# Altium PCB Main_PCB.PcbDoc (part 8 of 13)
Units mil, origin at the board's own origin, x right, y up, seen from the top; angles counter-clockwise.
Board outline 5200 x 6000 mil, 12 copper layers (Top (L1), Int1 (l2), Int2 (L3), Int3 (L4), Int4 (L5), Int5 (L6), Int6 (L7), Int7 (L8), Int8 (L9), Int9 (L10), Int10 (L11), Bot (L12)), stack 94.81 mil thick; 88 components, 424 nets, 1789 pads, 1684 vias.
Unrouted connection lines stored in the file: 914.
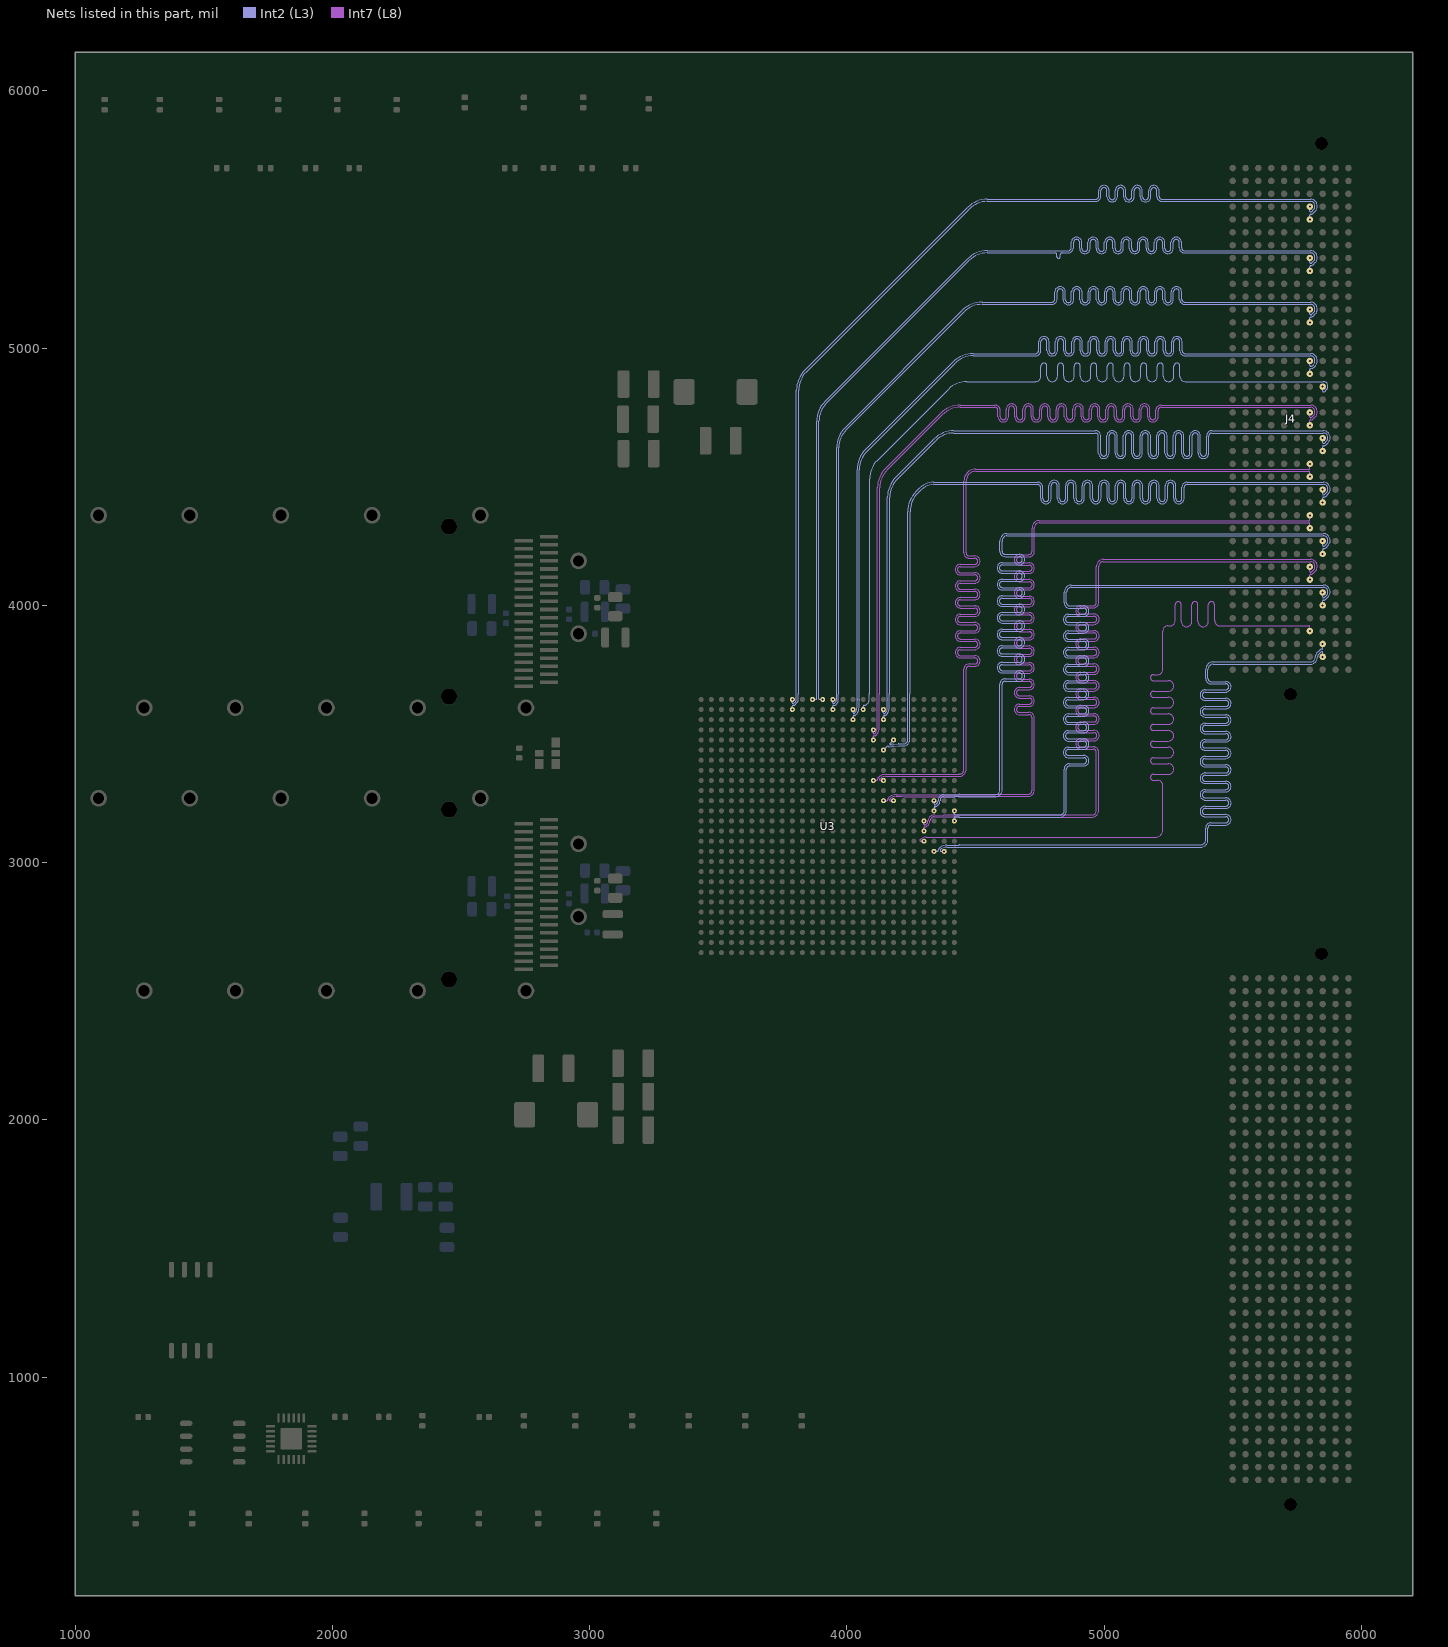
[diagram p18: the nets of this part, all layers, seen from the top]

## Via types
v1: diameter 13.78, hole 7.87, Top (L1) to Bot (L12), tented both sides, 1680 vias
v2: diameter 19.68, hole 7.87, Top (L1) to Bot (L12), tented both sides, 4 vias

## Nets (pads, with @x,y where several pads share a name; then routed paths per layer and width w, separated by ;. In a path a pad name is that pad's centre, name@x,y a point inside that pad or via, vN(x,y) a via of type N, cw(c..) or ccw(c..) an arc to the next point about the centre after c; other vN are vias at no path point) (continued)
HPCC_B_10_P: J4.C18 U3.B17 | length 3966.4
  Int2 (L3) w3.5: v1(4063.78,3594.88) 4063.78,3607.32 cw(c4067.28,3607.32) 4064.8,3609.79 cw(c4067.28,3607.32) 4067.28,3610.82 ccw(c4067.32,3625.55) 4077.74,3615.13 4080.34,3617.73 ccw(c4063.06,3635.02) 4087.44,3633.27 ccw(c4076.46,3634.03) 4087.46,3634.1 cw(c4103.15,3634.25) 4087.49,3635.11 ccw(c4076.5,3635.66) 4087.5,3635.62 ; 4087.5,3635.63 4087.5,3655 ccw(c4084.36,3658.14) 4088.8,3658.14 4088.8,4492.38 cw(c4188.8,4492.38) 4118.09,4563.09 4395.71,4840.71 cw(c4466.42,4770) 4466.42,4870 4727.99,4870 4734.14,4870 ccw(c4734.14,4890.55) 4754.69,4890.55 4754.69,4929.61 cw(c4766.44,4929.61) 4778.19,4929.61 4778.19,4890.24 ccw(c4798.74,4890.24) 4819.29,4890.24 4819.29,4929.61 cw(c4831.04,4929.61) 4842.79,4929.61 4842.79,4890.24 ccw(c4863.34,4890.24) 4883.89,4890.24 4883.89,4929.61 cw(c4895.64,4929.61) 4907.39,4929.61 4907.39,4890.24 ccw(c4927.94,4890.24) 4948.49,4890.24 4948.49,4929.61 cw(c4960.24,4929.61) 4971.99,4929.61 4971.99,4890.24 ccw(c4992.54,4890.24) 5013.09,4890.24 5013.09,4929.61 cw(c5024.84,4929.61) 5036.59,4929.61 5036.59,4890.24 ccw(c5057.14,4890.24) 5077.69,4890.24 5077.69,4929.61 cw(c5089.44,4929.61) 5101.19,4929.61 5101.19,4890.24 ccw(c5121.74,4890.24) 5142.29,4890.24 5142.29,4929.61 cw(c5154.04,4929.61) 5165.79,4929.61 5165.79,4890.24 ccw(c5186.34,4890.24) 5206.89,4890.24 5206.89,4929.61 cw(c5218.64,4929.61) 5230.39,4929.61 5230.39,4890.24 ccw(c5250.94,4890.24) 5271.49,4890.24 5271.49,4929.61 cw(c5283.24,4929.61) 5294.99,4929.61 5294.99,4890.55 ccw(c5315.54,4890.55) 5315.54,4870 5345,4870 5852.93,4870 cw(c5852.93,4852.93) 5865,4865 cw(c5852.93,4852.93) 5870,4852.93 5870,4850 cw(c5854.66,4850) 5865.51,4839.15 5857.34,4830.99 cw(c5853.5,4834.84) 5853.5,4829.4 cw(c5853.5,4832.9) 5851.03,4830.43 cw(c5853.5,4832.9) 5850,4832.9 v1(5850,4850)
HPCC_B_11_N: J4.C23 U3.B19 | length 3986.9
  Int2 (L3) w3.5: v1(4142.52,3594.88) 4142.52,3582.45 ccw(c4146.02,3582.45) 4143.54,3579.97 ccw(c4146.02,3582.45) 4146.02,3578.95 ccw(c4146.02,3582.45) 4148.49,3579.97 ccw(c4125.55,3602.92) 4158,3602.92 4158,3630.99 cw(c4169,3630.94) 4158.08,3632.28 ccw(c4142.52,3634.25) 4158.08,3636.23 cw(c4169,3637.57) 4158,3637.51 4158,4420.38 cw(c4266.8,4420.38) 4189.87,4497.31 4213.78,4521.22 ; 4213.99,4521.43 4339.49,4646.93 cw(c4416.42,4570) 4416.42,4678.8 4936.39,4678.8 4966.65,4678.8 cw(c4966.65,4658.25) 4987.2,4658.25 4987.2,4591.45 ccw(c4998.95,4591.45) 5010.7,4591.45 5010.7,4658.54 cw(c5031.25,4658.54) 5051.8,4658.54 5051.8,4591.45 ccw(c5063.55,4591.45) 5075.3,4591.45 5075.3,4658.54 cw(c5095.85,4658.54) 5116.4,4658.54 5116.4,4591.45 ccw(c5128.15,4591.45) 5139.9,4591.45 5139.9,4658.54 cw(c5160.45,4658.54) 5181,4658.54 5181,4591.45 ccw(c5192.75,4591.45) 5204.5,4591.45 5204.5,4658.54 cw(c5225.05,4658.54) 5245.6,4658.54 5245.6,4591.45 ccw(c5257.35,4591.45) 5269.1,4591.45 5269.1,4658.54 cw(c5289.65,4658.54) 5310.2,4658.54 5310.2,4591.45 ccw(c5321.95,4591.45) 5333.7,4591.45 5333.7,4658.54 cw(c5354.25,4658.54) 5374.8,4658.54 5374.8,4591.45 ccw(c5386.55,4591.45) 5398.3,4591.45 5398.3,4658.25 cw(c5418.85,4658.25) 5418.85,4678.8 5425,4678.8 5852.93,4678.8 cw(c5852.93,4652.93) 5871.22,4671.22 cw(c5852.93,4652.93) 5878.8,4652.93 5878.8,4650 cw(c5854.66,4650) 5871.73,4632.93 5863.56,4624.76 cw(c5853.5,4634.84) 5853.5,4620.6 ccw(c5853.5,4617.1) 5851.03,4619.57 ccw(c5853.5,4617.1) 5850,4617.1 v1(5850,4600)
HPCC_B_11_P: J4.C22 U3.C19 | length 3957.9
  Int2 (L3) w3.5: v1(4142.52,3555.51) 4142.52,3567.95 cw(c4146.02,3567.95) 4143.54,3570.42 cw(c4146.02,3567.95) 4146.02,3571.45 ; 4146.06,3571.45 ccw(c4146.06,3582.35) 4153.77,3574.64 4153.85,3574.72 ccw(c4125.73,3602.84) 4165.5,3602.84 ; 4165.5,3602.88 4165.5,3630.96 cw(c4169,3630.94) 4165.52,3631.35 ccw(c4142.52,3634.25) 4165.52,3637.16 cw(c4169,3637.57) 4165.5,3637.54 4165.5,3655 ccw(c4162.36,3658.14) 4166.8,3658.14 4166.8,4420.38 cw(c4266.8,4420.38) 4196.09,4491.09 4345.71,4640.71 cw(c4416.42,4570) 4416.42,4670 4936.39,4670 4966.65,4670 cw(c4966.65,4658.25) 4978.4,4658.25 4978.4,4591.45 ccw(c4998.95,4591.45) 5019.5,4591.45 5019.5,4658.54 cw(c5031.25,4658.54) 5043,4658.54 5043,4591.45 ccw(c5063.55,4591.45) 5084.1,4591.45 5084.1,4658.54 cw(c5095.85,4658.54) 5107.6,4658.54 5107.6,4591.45 ccw(c5128.15,4591.45) 5148.7,4591.45 5148.7,4658.54 cw(c5160.45,4658.54) 5172.2,4658.54 5172.2,4591.45 ccw(c5192.75,4591.45) 5213.3,4591.45 5213.3,4658.54 cw(c5225.05,4658.54) 5236.8,4658.54 5236.8,4591.45 ccw(c5257.35,4591.45) 5277.9,4591.45 5277.9,4658.54 cw(c5289.65,4658.54) 5301.4,4658.54 5301.4,4591.45 ccw(c5321.95,4591.45) 5342.5,4591.45 5342.5,4658.54 cw(c5354.25,4658.54) 5366,4658.54 5366,4591.45 ccw(c5386.55,4591.45) 5407.1,4591.45 5407.1,4658.25 cw(c5418.85,4658.25) 5418.85,4670 5425,4670 5852.93,4670 cw(c5852.93,4652.93) 5865,4665 cw(c5852.93,4652.93) 5870,4652.93 5870,4650 cw(c5854.66,4650) 5865.51,4639.15 5857.34,4630.99 cw(c5853.5,4634.84) 5853.5,4629.4 cw(c5853.5,4632.9) 5851.03,4630.43 cw(c5853.5,4632.9) 5850,4632.9 v1(5850,4650)
HPCC_B_12_N: J4.C27 U3.E20 | length 3995.2
  Int2 (L3) w3.5: v1(4181.89,3476.77) 4167.33,3462.21 ccw(c4169.81,3459.74) 4166.31,3459.74 ccw(c4169.81,3459.74) 4167.33,3457.26 4173.38,3458.99 ccw(c4172.42,3462.35) 4173.65,3459.07 cw(c4181.89,3437.4) 4181.17,3460.58 4200.93,3461.19 cw(c4201.42,3445.23) 4201.42,3461.2 4218.82,3461.2 cw(c4218.82,3453.7) 4219.33,3461.18 4220.2,3461.12 ccw(c4221.26,3476.77) 4236.94,3476.51 4236.97,3477.92 4237,3479.71 4237,4364.38 cw(c4345.8,4364.38) 4268.87,4441.31 4283.78,4456.22 cw(c4338.28,4401.72) 4338.28,4478.8 4703.23,4478.8 4741.68,4478.8 cw(c4741.68,4458.25) 4762.23,4458.25 4762.23,4415.49 ccw(c4773.98,4415.49) 4785.73,4415.49 4785.73,4465.21 cw(c4806.28,4465.21) 4826.83,4465.21 4826.83,4415.49 ccw(c4838.58,4415.49) 4850.33,4415.49 4850.33,4465.21 cw(c4870.88,4465.21) 4891.43,4465.21 4891.43,4415.49 ccw(c4903.18,4415.49) 4914.93,4415.49 4914.93,4465.21 cw(c4935.48,4465.21) 4956.03,4465.21 4956.03,4415.49 ccw(c4967.78,4415.49) 4979.53,4415.49 4979.53,4465.21 cw(c5000.08,4465.21) 5020.63,4465.21 5020.63,4415.49 ccw(c5032.38,4415.49) 5044.13,4415.49 5044.13,4465.21 cw(c5064.68,4465.21) 5085.23,4465.21 5085.23,4415.49 ccw(c5096.98,4415.49) 5108.73,4415.49 5108.73,4465.21 cw(c5129.28,4465.21) 5149.83,4465.21 5149.83,4415.49 ccw(c5161.58,4415.49) 5173.33,4415.49 5173.33,4465.21 cw(c5193.88,4465.21) 5214.43,4465.21 5214.43,4415.49 ccw(c5226.18,4415.49) 5237.93,4415.49 5237.93,4465.21 cw(c5258.48,4465.21) 5279.03,4465.21 5279.03,4415.49 ccw(c5290.78,4415.49) 5302.53,4415.49 5302.53,4458.25 cw(c5323.08,4458.25) 5323.08,4478.8 5346,4478.8 5852.93,4478.8 cw(c5852.93,4452.93) 5871.22,4471.22 cw(c5852.93,4452.93) 5878.8,4452.93 5878.8,4450 cw(c5854.66,4450) 5871.73,4432.93 5863.56,4424.76 cw(c5853.5,4434.84) 5853.5,4420.6 ccw(c5853.5,4417.1) 5851.03,4419.57 ccw(c5853.5,4417.1) 5850,4417.1 v1(5850,4400)
HPCC_B_12_P: J4.C26 U3.F19 | length 3971.7
  Int2 (L3) w3.5: v1(4142.52,3437.4) 4157.08,3451.96 cw(c4159.55,3449.49) 4159.55,3452.99 cw(c4159.55,3449.49) 4162.03,3451.96 ccw(c4167.33,3457.26) 4167.33,3449.76 ccw(c4167.33,3457.26) 4169.39,3450.05 4175.43,3451.77 ccw(c4172.42,3462.35) 4176.3,3452.06 cw(c4181.89,3437.4) 4181.4,3453.08 4201.19,3453.69 cw(c4201.42,3445.23) 4201.42,3453.7 4218.82,3453.7 4219.69,3453.64 ccw(c4221.26,3476.77) 4244.44,3476.39 4244.47,3477.79 4244.5,3479.57 ccw(c4237,3479.71) 4244.5,3479.7 4244.5,3489 4244.5,3655 ccw(c4241.36,3658.14) 4245.8,3658.14 4245.8,4364.38 cw(c4345.8,4364.38) 4275.09,4435.09 4290,4450 cw(c4338.28,4401.72) 4338.28,4470 4703.23,4470 4741.68,4470 cw(c4741.68,4458.25) 4753.43,4458.25 4753.43,4415.49 ccw(c4773.98,4415.49) 4794.53,4415.49 4794.53,4465.21 cw(c4806.28,4465.21) 4818.03,4465.21 4818.03,4415.49 ccw(c4838.58,4415.49) 4859.13,4415.49 4859.13,4465.21 cw(c4870.88,4465.21) 4882.63,4465.21 4882.63,4415.49 ccw(c4903.18,4415.49) 4923.73,4415.49 4923.73,4465.21 cw(c4935.48,4465.21) 4947.23,4465.21 4947.23,4415.49 ccw(c4967.78,4415.49) 4988.33,4415.49 4988.33,4465.21 cw(c5000.08,4465.21) 5011.83,4465.21 5011.83,4415.49 ccw(c5032.38,4415.49) 5052.93,4415.49 5052.93,4465.21 cw(c5064.68,4465.21) 5076.43,4465.21 5076.43,4415.49 ccw(c5096.98,4415.49) 5117.53,4415.49 5117.53,4465.21 cw(c5129.28,4465.21) 5141.03,4465.21 5141.03,4415.49 ccw(c5161.58,4415.49) 5182.13,4415.49 5182.13,4465.21 cw(c5193.88,4465.21) 5205.63,4465.21 5205.63,4415.49 ccw(c5226.18,4415.49) 5246.73,4415.49 5246.73,4465.21 cw(c5258.48,4465.21) 5270.23,4465.21 5270.23,4415.49 ccw(c5290.78,4415.49) 5311.33,4415.49 5311.33,4458.25 cw(c5323.08,4458.25) 5323.08,4470 5346,4470 5852.93,4470 cw(c5852.93,4452.93) 5865,4465 cw(c5852.93,4452.93) 5870,4452.93 5870,4450 cw(c5854.66,4450) 5865.51,4439.15 5857.34,4430.99 cw(c5853.5,4434.84) 5853.5,4429.4 cw(c5853.5,4432.9) 5851.03,4430.43 cw(c5853.5,4432.9) 5850,4432.9 v1(5850,4450)
HPCC_B_13_N: J4.C31 U3.L24 | length 3986.6
  Int2 (L3) w3.5: v1(4339.37,3240.55) 4339.37,3228.12 ccw(c4342.87,3228.12) 4340.4,3225.64 ccw(c4342.87,3228.12) 4342.87,3224.62 ccw(c4342.87,3228.12) 4345.34,3225.64 4351.67,3231.97 ; 4351.68,3231.97 ccw(c4343.64,3240) 4355,3240 4355,3241.19 cw(c4377.74,3241.19) 4361.66,3257.27 4361.73,3257.34 cw(c4379.07,3239.93) 4374.3,3264.03 cw(c4376.4,3253.23) 4376.4,3264.23 4378.74,3264.23 4418.11,3264.23 ccw(c4418.11,3279.92) 4420.37,3264.4 cw(c4421.87,3253.5) 4421.82,3264.5 ; 4421.83,3264.5 4576.72,3264.5 ccw(c4576.72,3283.28) 4590,3270 ccw(c4577.93,3282.07) 4595,3282.07 4595,3655 4595,3693.45 cw(c4615.55,3693.45) 4615.55,3714 4670.95,3714 ccw(c4670.95,3725.75) 4670.95,3737.5 4604.7,3737.5 cw(c4604.7,3758.05) 4604.7,3778.6 4670.95,3778.6 ccw(c4670.95,3790.35) 4670.95,3802.1 4604.7,3802.1 cw(c4604.7,3822.65) 4604.7,3843.2 4670.95,3843.2 ccw(c4670.95,3854.95) 4670.95,3866.7 4604.7,3866.7 cw(c4604.7,3887.25) 4604.7,3907.8 4670.95,3907.8 ccw(c4670.95,3919.55) 4670.95,3931.3 4604.7,3931.3 cw(c4604.7,3951.85) 4604.7,3972.4 4670.95,3972.4 ccw(c4670.95,3984.15) 4670.95,3995.9 4604.7,3995.9 cw(c4604.7,4016.45) 4604.7,4037 4670.95,4037 ccw(c4670.95,4048.75) 4670.95,4060.5 4604.7,4060.5 cw(c4604.7,4081.05) 4604.7,4101.6 4670.95,4101.6 ccw(c4670.95,4113.35) 4670.95,4125.1 4604.7,4125.1 cw(c4604.7,4145.65) 4604.7,4166.2 4670.95,4166.2 ccw(c4670.95,4177.95) 4670.95,4189.7 4615.55,4189.7 cw(c4615.55,4210.25) 4595,4210.25 4595,4236.8 4595,4250.03 cw(c4624.97,4250.03) 4603.78,4271.22 cw(c4622.07,4252.93) 4622.07,4278.8 5852.93,4278.8 cw(c5852.93,4252.93) 5871.22,4271.22 cw(c5852.93,4252.93) 5878.8,4252.93 5878.8,4250 cw(c5854.66,4250) 5871.73,4232.93 5863.56,4224.76 cw(c5853.5,4234.84) 5853.5,4220.6 ccw(c5853.5,4217.1) 5851.03,4219.57 ccw(c5853.5,4217.1) 5850,4217.1 v1(5850,4200)
HPCC_B_13_P: J4.C30 U3.M24 | length 3959.3
  Int2 (L3) w3.5: v1(4339.37,3201.18) 4339.37,3213.62 cw(c4342.87,3213.62) 4340.4,3216.09 cw(c4342.87,3213.62) 4342.87,3217.12 ; 4342.91,3217.12 ccw(c4342.91,3228.02) 4350.62,3220.31 4357.01,3226.7 ccw(c4343.77,3239.95) 4362.5,3239.95 4362.5,3241.14 cw(c4377.86,3241.14) 4367,3252 cw(c4379.07,3239.93) 4375.74,3256.67 cw(c4376.4,3253.23) 4376.4,3256.73 4378.74,3256.73 4418.11,3256.73 ccw(c4418.11,3279.92) 4421.4,3256.97 cw(c4421.87,3253.5) 4421.84,3257 4435,3257 ccw(c4438.14,3260.14) 4438.14,3255.7 4576.72,3255.7 ccw(c4576.72,3283.28) 4596.22,3263.78 ccw(c4577.93,3282.07) 4603.8,3282.07 4603.8,3655 4603.8,3693.45 cw(c4615.55,3693.45) 4615.55,3705.2 4670.95,3705.2 ccw(c4670.95,3725.75) 4670.95,3746.3 4604.7,3746.3 cw(c4604.7,3758.05) 4604.7,3769.8 4670.95,3769.8 ccw(c4670.95,3790.35) 4670.95,3810.9 4604.7,3810.9 cw(c4604.7,3822.65) 4604.7,3834.4 4670.95,3834.4 ccw(c4670.95,3854.95) 4670.95,3875.5 4604.7,3875.5 cw(c4604.7,3887.25) 4604.7,3899 4670.95,3899 ccw(c4670.95,3919.55) 4670.95,3940.1 4604.7,3940.1 cw(c4604.7,3951.85) 4604.7,3963.6 4670.95,3963.6 ccw(c4670.95,3984.15) 4670.95,4004.7 4604.7,4004.7 cw(c4604.7,4016.45) 4604.7,4028.2 4670.95,4028.2 ccw(c4670.95,4048.75) 4670.95,4069.3 4604.7,4069.3 cw(c4604.7,4081.05) 4604.7,4092.8 4670.95,4092.8 ccw(c4670.95,4113.35) 4670.95,4133.9 4604.7,4133.9 cw(c4604.7,4145.65) 4604.7,4157.4 4670.95,4157.4 ccw(c4670.95,4177.95) 4670.95,4198.5 4615.55,4198.5 cw(c4615.55,4210.25) 4603.8,4210.25 4603.8,4236.8 4603.8,4250.03 cw(c4624.97,4250.03) 4610,4265 cw(c4622.07,4252.93) 4622.07,4270 5852.93,4270 cw(c5852.93,4252.93) 5865,4265 cw(c5852.93,4252.93) 5870,4252.93 5870,4250 cw(c5854.66,4250) 5865.51,4239.15 5857.34,4230.99 cw(c5853.5,4234.84) 5853.5,4229.4 cw(c5853.5,4232.9) 5851.03,4230.43 cw(c5853.5,4232.9) 5850,4232.9 v1(5850,4250)
HPCC_B_14_N: J4.C35 U3.M26 | length 3979.8
  Int2 (L3) w3.5: v1(4418.11,3201.18) 4418.11,3188.75 ccw(c4421.61,3188.75) 4419.14,3186.27 ccw(c4421.61,3188.75) 4421.61,3185.25 4828.52,3185.25 ccw(c4828.52,3201.48) 4840,3190 4841.46,3191.46 ccw(c4832.93,3200) 4845,3200 4845,3325.28 4845,3363.73 cw(c4865.55,3363.73) 4865.55,3384.28 4920.97,3384.28 ccw(c4920.97,3396.03) 4920.97,3407.78 4861.61,3407.78 cw(c4861.61,3428.33) 4861.61,3448.88 4920.97,3448.88 ccw(c4920.97,3460.63) 4920.97,3472.38 4861.61,3472.38 cw(c4861.61,3492.93) 4861.61,3513.48 4920.97,3513.48 ccw(c4920.97,3525.23) 4920.97,3536.98 4861.61,3536.98 cw(c4861.61,3557.53) 4861.61,3578.08 4920.97,3578.08 ccw(c4920.97,3589.83) 4920.97,3601.58 4861.61,3601.58 cw(c4861.61,3622.13) 4861.61,3642.68 4920.97,3642.68 ccw(c4920.97,3654.43) 4920.97,3666.18 4861.61,3666.18 cw(c4861.61,3686.73) 4861.61,3707.28 4920.97,3707.28 ccw(c4920.97,3719.03) 4920.97,3730.78 4861.61,3730.78 cw(c4861.61,3751.33) 4861.61,3771.88 4920.97,3771.88 ccw(c4920.97,3783.63) 4920.97,3795.38 4861.61,3795.38 cw(c4861.61,3815.93) 4861.61,3836.48 4920.97,3836.48 ccw(c4920.97,3848.23) 4920.97,3859.98 4861.61,3859.98 cw(c4861.61,3880.53) 4861.61,3901.08 4920.97,3901.08 ccw(c4920.97,3912.83) 4920.97,3924.58 4861.61,3924.58 cw(c4861.61,3945.13) 4861.61,3965.68 4920.97,3965.68 ccw(c4920.97,3977.43) 4920.97,3989.18 4865.55,3989.18 cw(c4865.55,4009.73) 4845,4009.73 4845,4036 4845,4050.03 cw(c4874.97,4050.03) 4853.78,4071.22 cw(c4872.07,4052.93) 4872.07,4078.8 5852.93,4078.8 cw(c5852.93,4052.93) 5871.22,4071.22 cw(c5852.93,4052.93) 5878.8,4052.93 5878.8,4050 cw(c5854.66,4050) 5871.73,4032.93 5863.56,4024.76 cw(c5853.5,4034.84) 5853.5,4020.6 ccw(c5853.5,4017.1) 5851.03,4019.57 ccw(c5853.5,4017.1) 5850,4017.1 v1(5850,4000)
HPCC_B_14_P: J4.C34 U3.N26 | length 3952.5
  Int2 (L3) w3.5: v1(4418.11,3161.81) 4418.11,3174.25 cw(c4421.61,3174.25) 4419.14,3176.72 cw(c4421.61,3174.25) 4421.61,3177.75 4435,3177.75 ccw(c4438.14,3180.88) 4438.14,3176.45 4828.52,3176.45 ccw(c4828.52,3201.48) 4846.22,3183.78 4847.69,3185.24 ccw(c4832.93,3200) 4853.8,3200 4853.8,3325.28 4853.8,3363.73 cw(c4865.55,3363.73) 4865.55,3375.48 4920.97,3375.48 ccw(c4920.97,3396.03) 4920.97,3416.58 4861.61,3416.58 cw(c4861.61,3428.33) 4861.61,3440.08 4920.97,3440.08 ccw(c4920.97,3460.63) 4920.97,3481.18 4861.61,3481.18 cw(c4861.61,3492.93) 4861.61,3504.68 4920.97,3504.68 ccw(c4920.97,3525.23) 4920.97,3545.78 4861.61,3545.78 cw(c4861.61,3557.53) 4861.61,3569.28 4920.97,3569.28 ccw(c4920.97,3589.83) 4920.97,3610.38 4861.61,3610.38 cw(c4861.61,3622.13) 4861.61,3633.88 4920.97,3633.88 ccw(c4920.97,3654.43) 4920.97,3674.98 4861.61,3674.98 cw(c4861.61,3686.73) 4861.61,3698.48 4920.97,3698.48 ccw(c4920.97,3719.03) 4920.97,3739.58 4861.61,3739.58 cw(c4861.61,3751.33) 4861.61,3763.08 4920.97,3763.08 ccw(c4920.97,3783.63) 4920.97,3804.18 4861.61,3804.18 cw(c4861.61,3815.93) 4861.61,3827.68 4920.97,3827.68 ccw(c4920.97,3848.23) 4920.97,3868.78 4861.61,3868.78 cw(c4861.61,3880.53) 4861.61,3892.28 4920.97,3892.28 ccw(c4920.97,3912.83) 4920.97,3933.38 4861.61,3933.38 cw(c4861.61,3945.13) 4861.61,3956.88 4920.97,3956.88 ccw(c4920.97,3977.43) 4920.97,3997.98 4865.55,3997.98 cw(c4865.55,4009.73) 4853.8,4009.73 4853.8,4036 4853.8,4050.03 cw(c4874.97,4050.03) 4860,4065 cw(c4872.07,4052.93) 4872.07,4070 5852.93,4070 cw(c5852.93,4052.93) 5865,4065 cw(c5852.93,4052.93) 5870,4052.93 5870,4050 cw(c5854.66,4050) 5865.51,4039.15 5857.34,4030.99 cw(c5853.5,4034.84) 5853.5,4029.4 cw(c5853.5,4032.9) 5851.03,4030.43 cw(c5853.5,4032.9) 5850,4032.9 v1(5850,4050)
HPCC_B_15_N: J4.C39 U3.T25 | length 3964
  Int2 (L3) w3.5: v1(4378.74,3043.7) 4366.31,3043.7 cw(c4366.31,3047.2) 4363.83,3044.73 cw(c4366.31,3047.2) 4362.81,3047.2 cw(c4366.31,3047.2) 4363.83,3049.68 cw(c4388.76,3024.75) 4388.76,3060 4414,3060 4417.39,3059.89 ccw(c4418.11,3083.07) 4420.27,3059.99 cw(c4420.6,3056.5) 4420.6,3060 5375.03,3060 ccw(c5375.03,3089.97) 5396.22,3068.78 ccw(c5377.93,3087.07) 5403.8,3087.07 5403.8,3095.79 5403.8,3134.24 cw(c5415.55,3134.24) 5415.55,3145.99 5473.08,3145.99 ccw(c5473.08,3166.54) 5473.08,3187.09 5393.68,3187.09 cw(c5393.68,3198.84) 5393.68,3210.59 5473.08,3210.59 ccw(c5473.08,3231.14) 5473.08,3251.69 5393.68,3251.69 cw(c5393.68,3263.44) 5393.68,3275.19 5473.08,3275.19 ccw(c5473.08,3295.74) 5473.08,3316.29 5393.68,3316.29 cw(c5393.68,3328.04) 5393.68,3339.79 5473.08,3339.79 ccw(c5473.08,3360.34) 5473.08,3380.89 5393.68,3380.89 cw(c5393.68,3392.64) 5393.68,3404.39 5473.08,3404.39 ccw(c5473.08,3424.94) 5473.08,3445.49 5393.68,3445.49 cw(c5393.68,3457.24) 5393.68,3468.99 5473.08,3468.99 ccw(c5473.08,3489.54) 5473.08,3510.09 5393.68,3510.09 cw(c5393.68,3521.84) 5393.68,3533.59 5473.08,3533.59 ccw(c5473.08,3554.14) 5473.08,3574.69 5393.68,3574.69 cw(c5393.68,3586.44) 5393.68,3598.19 5473.08,3598.19 ccw(c5473.08,3618.74) 5473.08,3639.29 5393.68,3639.29 cw(c5393.68,3651.04) 5393.68,3662.79 5473.08,3662.79 ccw(c5473.08,3683.34) 5473.08,3703.89 5415.55,3703.89 cw(c5415.55,3715.64) 5403.8,3715.64 5403.8,3750 ; 5403.8,3750.03 cw(c5424.97,3750.03) 5410,3765 cw(c5424.97,3750.03) 5424.97,3771.2 5802.93,3771.2 ccw(c5802.93,3797.07) 5821.22,3778.78 ccw(c5800.03,3799.97) 5830,3799.97 ; 5830,3800 cw(c5843.4,3800) 5833.92,3809.47 5844.03,3819.57 cw(c5846.5,3817.1) 5846.5,3820.6 cw(c5846.5,3817.1) 5848.97,3819.57 cw(c5846.5,3817.1) 5850,3817.1 v1(5850,3800)
HPCC_B_15_P: J4.C38 U3.T24 | length 3976.2
  Int2 (L3) w3.5: v1(4339.37,3043.7) 4351.81,3043.7 ccw(c4351.81,3047.2) 4354.28,3044.73 ccw(c4351.8,3047.2) 4355.31,3047.2 ; 4355.31,3047.24 cw(c4366.21,3047.24) 4358.5,3054.95 4358.58,3055.04 cw(c4388.68,3024.94) 4388.68,3067.5 4414,3067.5 cw(c4414,3060) 4414.23,3067.5 4417.62,3067.39 ; 4417.63,3067.39 ccw(c4418.11,3083.07) 4419.58,3067.45 cw(c4420.6,3056.5) 4420.6,3067.5 4435,3067.5 cw(c4438.14,3064.36) 4438.14,3068.8 5375.03,3068.8 ccw(c5375.03,3089.97) 5390,3075 ccw(c5377.93,3087.07) 5395,3087.07 5395,3095.79 5395,3134.24 cw(c5415.55,3134.24) 5415.55,3154.79 5473.08,3154.79 ccw(c5473.08,3166.54) 5473.08,3178.29 5393.68,3178.29 cw(c5393.68,3198.84) 5393.68,3219.39 5473.08,3219.39 ccw(c5473.08,3231.14) 5473.08,3242.89 5393.68,3242.89 cw(c5393.68,3263.44) 5393.68,3283.99 5473.08,3283.99 ccw(c5473.08,3295.74) 5473.08,3307.49 5393.68,3307.49 cw(c5393.68,3328.04) 5393.68,3348.59 5473.08,3348.59 ccw(c5473.08,3360.34) 5473.08,3372.09 5393.68,3372.09 cw(c5393.68,3392.64) 5393.68,3413.19 5473.08,3413.19 ccw(c5473.08,3424.94) 5473.08,3436.69 5393.68,3436.69 cw(c5393.68,3457.24) 5393.68,3477.79 5473.08,3477.79 ccw(c5473.08,3489.54) 5473.08,3501.29 5393.68,3501.29 cw(c5393.68,3521.84) 5393.68,3542.39 5473.08,3542.39 ccw(c5473.08,3554.14) 5473.08,3565.89 5393.68,3565.89 cw(c5393.68,3586.44) 5393.68,3606.99 5473.08,3606.99 ccw(c5473.08,3618.74) 5473.08,3630.49 5393.68,3630.49 cw(c5393.68,3651.04) 5393.68,3671.59 5473.08,3671.59 ccw(c5473.08,3683.34) 5473.08,3695.09 5415.55,3695.09 cw(c5415.55,3715.64) 5395,3715.64 5395,3750 ; 5395,3750.03 cw(c5424.97,3750.03) 5403.78,3771.22 cw(c5424.97,3750.03) 5424.97,3780 5802.93,3780 ccw(c5802.93,3797.07) 5815,3785 ccw(c5800.03,3799.97) 5821.2,3799.97 ; 5821.2,3800 cw(c5843.4,3800) 5827.7,3815.7 5837.8,3825.8 cw(c5846.5,3817.1) 5846.5,3829.4 ccw(c5846.5,3832.9) 5848.97,3830.43 ccw(c5846.5,3832.9) 5850,3832.9 v1(5850,3850)
HPCC_B_16_N: J4.D5 U3.A10 | length 3999.9
  Int2 (L3) w3.5: v1(3788.19,3634.25) 3788.19,3621.82 ccw(c3791.69,3621.82) 3789.21,3619.34 ccw(c3791.69,3621.82) 3791.69,3618.32 ccw(c3791.69,3621.82) 3794.16,3619.34 3800.59,3625.77 ccw(c3792.36,3634) 3804,3634 3804,4836.38 cw(c3912.8,4836.38) 3835.87,4913.31 4469.49,5546.93 cw(c4546.42,5470) 4546.42,5578.8 4883.88,5578.8 4967.37,5578.8 ccw(c4967.37,5590.55) 4979.12,5590.55 4979.12,5611.76 cw(c4999.67,5611.76) 5020.22,5611.76 5020.22,5588.88 ccw(c5031.97,5588.88) 5043.72,5588.88 5043.72,5611.76 cw(c5064.27,5611.76) 5084.82,5611.76 5084.82,5588.88 ccw(c5096.57,5588.88) 5108.32,5588.88 5108.32,5611.76 cw(c5128.87,5611.76) 5149.42,5611.76 5149.42,5588.88 ccw(c5161.17,5588.88) 5172.92,5588.88 5172.92,5611.76 cw(c5193.47,5611.76) 5214.02,5611.76 5214.02,5590.55 ccw(c5225.77,5590.55) 5225.77,5578.8 5264.22,5578.8 5802.93,5578.8 cw(c5802.93,5552.93) 5821.22,5571.22 cw(c5802.93,5552.93) 5828.8,5552.93 5828.8,5550 cw(c5804.66,5550) 5821.73,5532.93 5813.56,5524.76 cw(c5803.5,5534.84) 5803.5,5520.6 ccw(c5803.5,5517.1) 5801.03,5519.57 ccw(c5803.5,5517.1) 5800,5517.1 v1(5800,5500)